# Altium PCB C210.PcbDoc (part 4 of 8)
Units mm, origin at the board's own origin, x right, y up, seen from the top; angles counter-clockwise.
Board outline 68 x 129.25 mm, 6 copper layers (L1, L2, L3, L4, L5, L6), stack 1.547 mm thick; 512 components, 298 nets, 1774 pads, 1892 vias.
Unrouted connection lines stored in the file: 306.
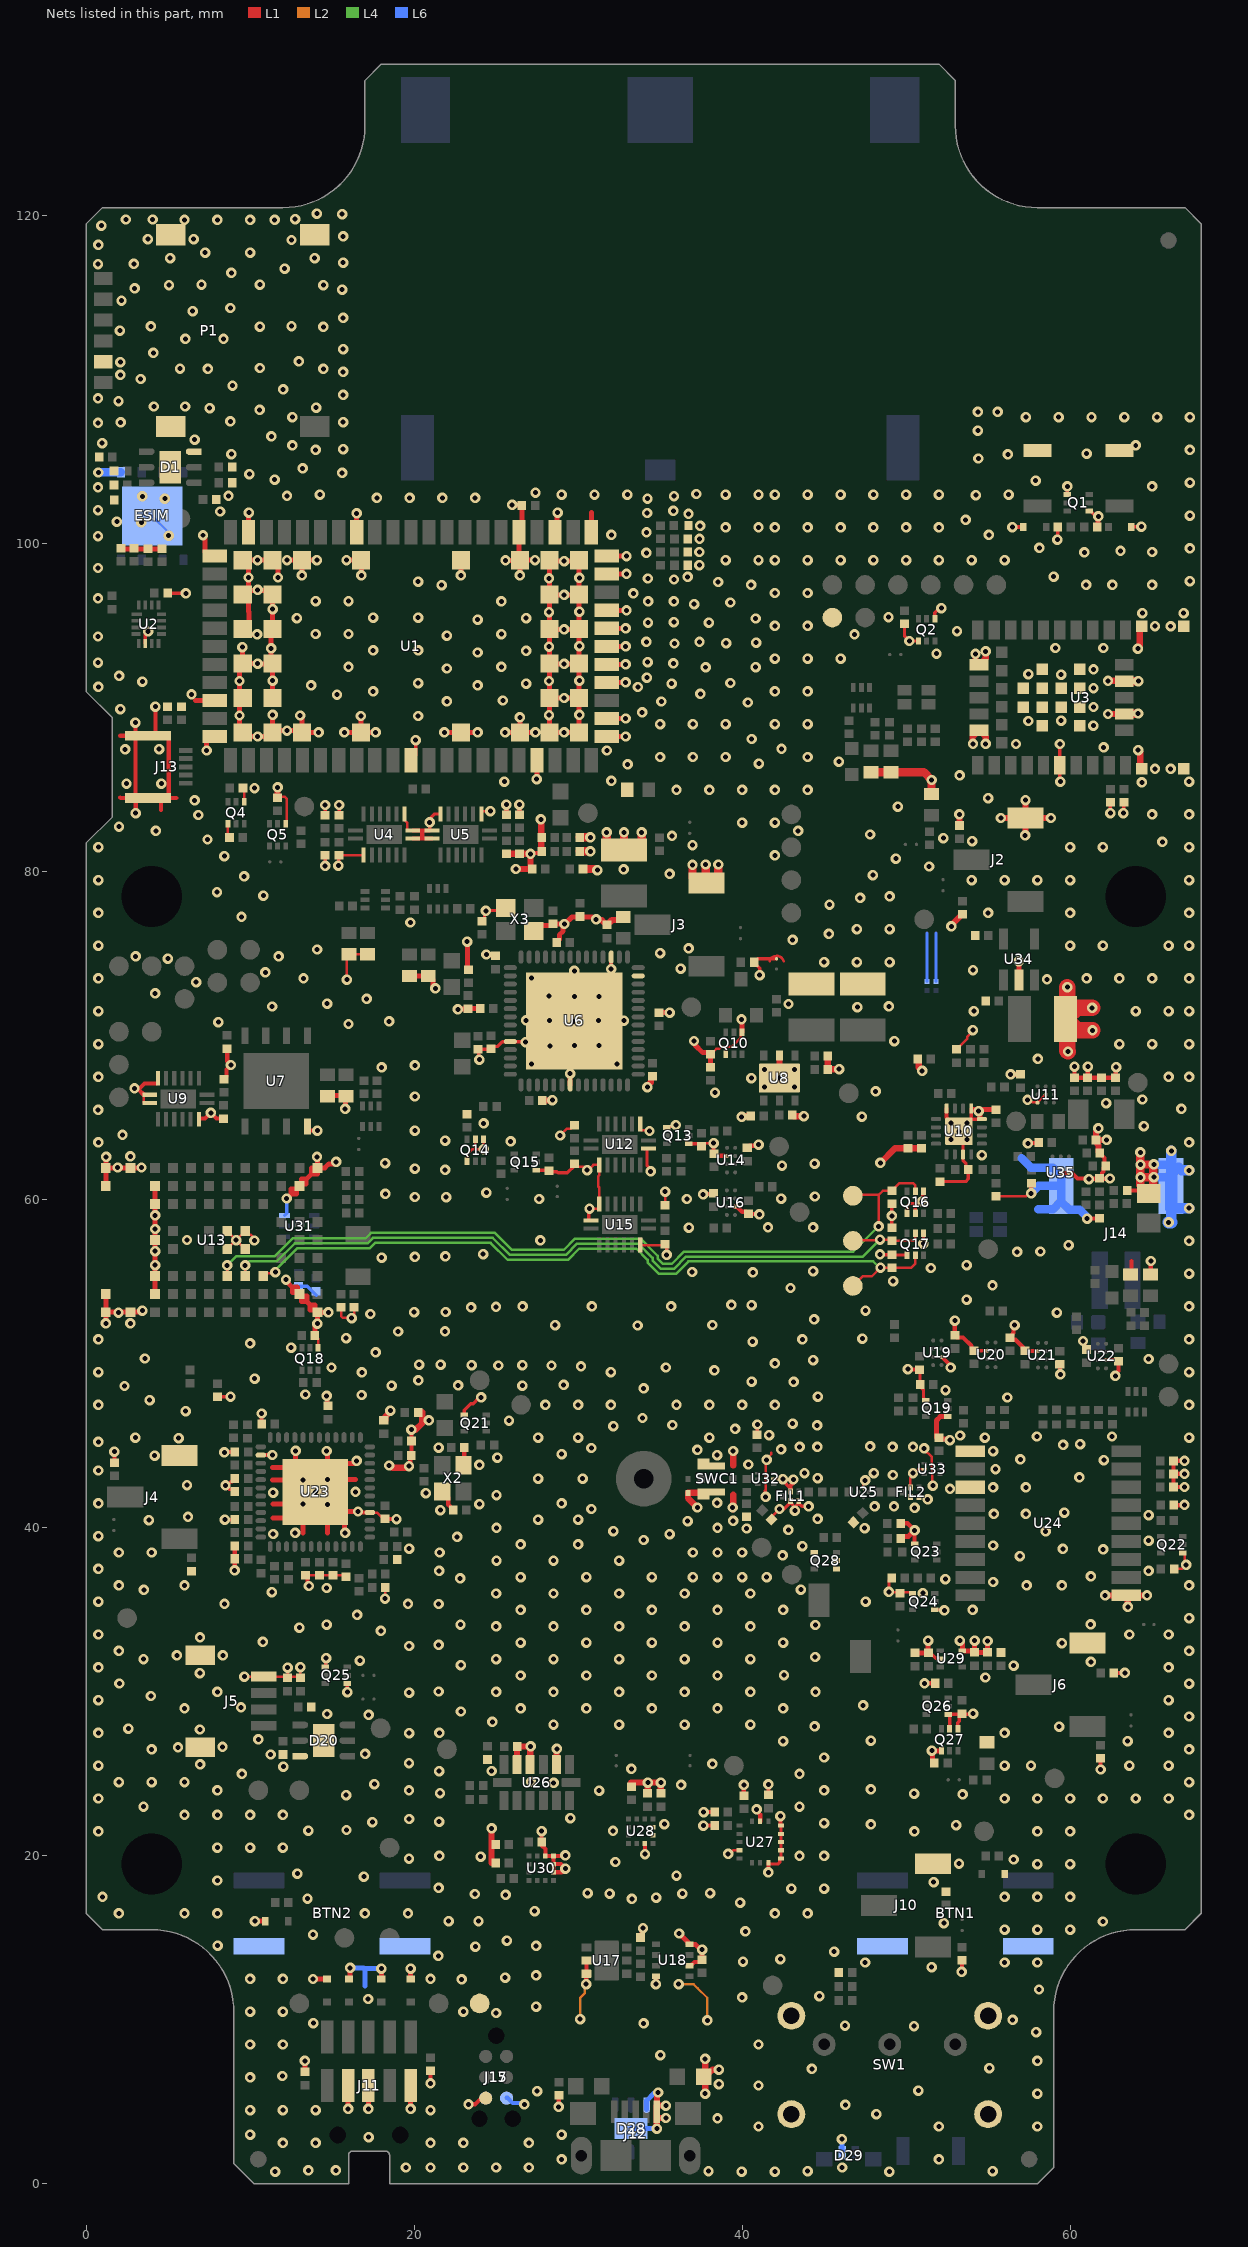
[diagram p8: the nets of this part, all layers, seen from the top]

## Via types
v1: diameter 0.635, hole 0.305, L1 to L6, tented both sides, 1892 vias

## Nets (pads, with @x,y where several pads share a name; then routed paths per layer and width w, separated by ;. In a path a pad name is that pad's centre, name@x,y a point inside that pad or via, vN(x,y) a via of type N, cw(c..) or ccw(c..) an arc to the next point about the centre after c; other vN are vias at no path point) (continued)
GND: BTN1.3 BTN1.4 BTN2.3 BTN2.4 BTN4.2 BTN5.2 C1.2 C2.2 C3.2 C4.2 C5.2 C6.2 C7.2 C8.1 C9.2 C10.2 C11.2 C12.2 C13.2 C14.1 C15.2 C16.2 C17.1 C18.1 C19.1 C20.2 C21.1 C22.1 C23.1 C24.2 C25.1 C26.1 C27.2 C28.2 C29.2 C30.2 C31.2 C32.2 C33.1 C34.2 C35.2 C36.2 C37.2 C38.1 C39.1 C40.1 C41.2 C42.1 C43.1 C44.1 C45.1 C46.2 C47.2 C48.1 C49.1 C50.1 C51.1 C52.2 C53.1 C54.2 C55.2 C56.1 C57.2 C58.2 C59.2 C60.2 C61.2 C62.1 C63.2 C64.2 C65.1 C66.1 C67.2 C68.1 C69.1 C70.1 C71.2 C72.1 C73.1 C74.1 C75.1 C76.1 C77.2 C78.1 C79.2 C80.2 C81.2 C82.2 C83.2 C84.2 C85.2 C86.2 C87.2 C88.2 C89.2 C90.2 C91.2 C92.2 C93.2 C94.1 C95.2 C96.1 C97.1 C100.2 C101.2 C102.2 C103.1 C104.2 C105.1 C106.1 C107.1 C108.2 C109.2 C110.2 C111.2 C112.1 C113.1 C114.1 C115.1 C116.2 C117.1 C118.2 C119.2 C120.2 C121.2 C122.1 C123.2 C124.2 C125.2 C126.2 C127.2 C128.2 C129.2 C130.2 C131.1 C132.1 C133.2 C134.1 C135.2 C136.2 C137.1 C138.1 C139.1 C140.1 C141.2 C142.2 C143.2 C144.1 C145.2 C146.2 C147.2 C148.1 C149.1 C151.1 C152.1 C153.2 C154.1 D1.3 D1.EPAD D2.2 D3.2 D5.C D6.C D7.C D8.C D9.C D10.C D11.C D12.C D13.C D14.C D16.C D17.C D18.2 D20.3 D20.EPAD D21.C D22.2 D23.2 D24.2 D25.2 D26.2 D27.2 D28.3 D28.EPAD D29.2 ESIM.1 ESIM.EPAD FB10.1 FIL1.2 FIL1.3 FIL1.5 FIL2.2 FIL2.3 FIL2.5 J2.1 J3.1 J4.1 J5.1 J5.M1 J5.M2 J6.1 J10.1 J11.3 J11.5 J11.9 J12.5 J13.MP J14.MH1 J15.5 J17.5 NO1.2 P1.C5 P1.MP Q1.1 Q1.4 Q2.1 Q2.4 Q4.1 Q4.4 Q5.1 Q10.1 Q10.4 Q13.1 Q13.4 Q14.1 Q14.2 Q14.4 Q15.1 Q16.1 Q16.4 Q16.5 Q17.1 Q17.4 Q18.1 Q19.1 Q19.4 Q21.1 Q22.1 Q23.1 Q24.1 Q24.4 Q25.1 Q25.4 Q26.1 Q27.1 Q27.4 Q27.5 Q28.1 Q28.4 Q28.5 R2.2 R3.2 R4.2 R7.1 R16.2 R17.1 R19.2 R27.1 R31.2 R34.2 R35.1 R36.1 R37.2 R40.1 R41.1 R42.1 R44.1 R46.2 R47.1 R54.1 R55.1 R60.1 R61.1 R65.1 R73.2 R74.1 R76.2 R79.1 R82.2 R89.1 R101.2 R105.2 R106.2 R107.2 R108.2 R110.2 R113.2 R115.2 R117.2 R125.1 R129.1 RT1.2 RT2.2 STD1.1 STD2.1 STD3.1 STD4.1 SW1.4 SWC1.G TP8.1 TP50.1 U1.1 U1.3 U1.5 U1.14 U1.20 U1.22 U1.30 U1.32 U1.43 U1.50 U1.54 U1.55 U1.57 U1.58 U1.59 U1.60 U1.61 U1.63 U1.64 U1.65 U1.66 U1.67 U1.68 U1.69 U1.70 U1.71 U1.72 U1.73 U1.74 U1.75 U1.76 U1.77 U1.78 U1.79 U1.80 U1.81 U1.82 U1.83 U1.84 U1.85 U1.86 U1.87 U1.88 U1.89 U1.90 U1.91 U1.92 U1.93 U1.94 U1.95 U1.96 U2.6 U3.6 U3.12 U3.14 U3.26 U3.30 U3.37 U3.38 U3.39 U3.40 U3.41 U3.42 U3.43 U3.44 U3.45 U3.46 U3.47 U3.48 U3.EG U4.2 U4.8 U4.9 U4.10 U5.2 U5.7 U5.8 U5.9 U6.10 U6.21 U6.41 U6.45 U6.EPAD U7.4 U8.2 U8.7 U9.7 U9.8 U9.9 U9.15 U10.4 U10.5 U10.8 U10.15 U10.EPAD U11.B2 U11.C1 U12.2 U12.8 U12.10 U13.A1 U13.A9 U13.B2 U13.B8 U13.E4 U13.E5 U13.F4 U13.F5 U13.K2 U13.K3 U13.K5 U13.K7 U13.K8 U13.L1 U13.L9 U13.M1 U13.M2 U13.M8 U13.M9 U14.B1 U15.7 U15.8 U15.15 U16.B1 U17.2 U17.3 U18.1 U18.5 U18.7 U19.B1 U20.B1 U21.B1 U22.B1 U23.14 U23.40 U23.EPAD U24.1 U24.10 U24.12 U25.3 U26.2 U26.4 U26.5 U27.4 U27.8 U27.9 U27.10 U27.11 U27.12 U27.13 U27.15 U28.2 U28.3 U28.12 U29.2 U29.5 U30.5 U30.6 U30.7 U30.8 U31.3 U32.2 U33.2 U34.2 U35.C1 U35.C2 X2.2 X2.4 X3.2 X3.4 Z2.1 Z3.1 Z5.2 Z6.2 | length 597.1
  L1 w0.15: U5.2@24.097,83.525 24.097,83.7 v1(24.647,83.7) ; v1(39.15,20.125) 39.246,20.125 39.462,20.34 U27.4@39.835,20.34
  L1 w0.152: U9.9@3.875,65.908 3.503,65.908 3.503,66.397 3.515,66.41 3.517,66.408 3.554,66.408 U9.8@3.875,66.408 ; U13.F5@8.6,57 9.146,57.546 v1(9.15,57.546) ; U13.F4@8.6,58.1 8.6,58.096 v1(9.15,57.546) ; Q4.1@8.642,82.931 8.642,82.2 R19.2@8.742,82.1 ; R16.2@9.565,85.106 9.642,85.029 Q4.4@9.642,84.281 ; v1(9.646,30.931) J5.1@10.825,30.931 C138.1@12.282,30.931 ; U13.E5@9.7,57 9.696,57 v1(9.15,57.546) ; v1(10.26,57.521) 10.26,57.646 10.028,57.878 9.922,57.878 U13.E4@9.7,58.1 9.7,58.096 v1(9.15,57.546) ; R17.1@11.672,84.525 11.714,84.567 12.121,84.567 12.221,84.467 12.221,82.974 Q5.1@12.172,82.925 ; C138.1@12.275,30.849 12.282,30.856 C138.1@12.282,30.931 ; v1(12.282,31.481) C138.1@12.282,30.931 ; v1(13.065,31.503) C115.1@13.065,30.849 12.983,30.931 C138.1@12.282,30.931 ; C91.2@13.391,37.1 15.763,37.1 R73.2@15.855,37.008 ; C76.1@13.95,51.738 14.15,51.538 Q18.1@14.15,50.971 ; v1(14.075,62.625) v1@14.1,62.6 ; C21.1@15.422,80.997 C21.1@15.425,81 15.45,81.025 U4.2@16.922,81.025 ; C69.1@15.55,53.45 15.55,52.902 15.639,52.812 16.171,52.812 v1(16.194,52.789) ; v1(15.9,73.429) 15.9,74.85 D12.C@16.025,74.975 D11.C@17.15,74.975 ; v1@16.219,52.812 16.242,52.789 16.293,52.789 16.34,52.836 C70.1@16.34,53.45 ; U23.40@17.3,40.937 17.328,40.909 17.764,40.909 C85.2@18.143,40.531 ; v1(18.225,35.689) 18.225,36.333 R101.2@18.247,36.355 ; U4.10@19.422,83.525 19.422,83.146 19.588,82.98 19.588,82.557 19.62,82.525 U4.9@19.922,82.525 ; Q14.4@23.231,62.351 23.227,62.355 23.227,62.767 23.536,63.076 23.731,63.076 ; Q14.2@23.731,63.701 23.731,63.076 ; v1@24.219,63.076 24.213,63.082 23.737,63.082 23.731,63.076 ; Q14.1@24.231,63.701 24.236,63.696 24.236,63.082 v1(24.242,63.076) ; v1(28.9,63.922) 29.302,64.324 29.546,64.324 29.774,64.552 C51.1@29.789,64.552 ; C59.2@29.789,62.204 29.972,62.02 30.342,62.02 v1@30.547,61.815 ; v1(30.547,61.814) 30.616,61.814 30.933,62.131 U12.2@31.286,62.131 31.286,61.499 31.235,61.448 31.235,60.807 31.286,60.756 U15.7@31.286,59.742 31.286,59.508 31.237,59.459 v1(30.691,59.459) ; U15.15@33.786,57.242 35.239,57.242 C66.1@35.301,57.304 ; U12.10@33.786,64.631 33.786,64.306 33.835,64.257 34.293,64.257 v1(34.35,64.2) ; U12.8@34.043,63.093 U12.8@34.075,63.125 ; C64.2@35.301,59.669 v1(35.301,60.495) ; R46.2@37.376,63.423 37.41,63.458 38.261,63.458 v1(38.264,63.461) ; R34.2@38.075,68.875 38.09,68.875 38.427,69.212 38.616,69.212 38.733,69.328 39,69.328 ; Q10.1@38.999,68.875 39,68.876 39,69.328 ; Q10.4@39.999,70.225 39.925,70.151 39.925,69.907 39.347,69.328 39,69.328 ; 41.4,42.275 41.435,42.31 41.435,44.148 41.775,44.488 41.775,44.581 ; C92.2@41.793,40.503 41.793,40.663 v1(42.277,41.148) ; U32.2@41.92,42.983 41.922,42.982 42.463,42.982 v1(42.477,42.968) ; v1(48.95,36.1) 48.921,36.071 49.579,36.071 R107.2@49.625,36.025 49.671,36.071 50.322,36.071 Q24.1@50.388,36.004 ; FIL2.5@50.275,42.463 50.263,42.474 50.263,43.046 50.42,43.202 v1(50.42,43.333) 50.521,43.333 50.75,43.562 50.94,43.562 50.959,43.582 51.093,43.582 U33.2@51.094,43.583 ; v1(51.093,44.854) 51.093,44.79 51.575,44.308 51.575,43.665 51.607,43.633 ; 51.579,43.508 51.579,42.621 v1(51.625,42.575) ; Q24.4@51.738,35.004 52.288,35.004 v1(52.325,34.967) ; R37.2@53.075,69.171 53.144,69.239 53.233,69.328 53.721,69.817 53.721,69.924 54.071,70.274 v1(54.071,70.347) ; v1(53.388,12.925) v1@53.4,12.937 ; R54.1@55.475,60.222 57.317,60.222 57.494,60.4 v1(57.625,60.4) ; v1(57.4,66.097) 57.531,66.097 57.689,65.939 57.993,65.939 U11.C1@58.01,65.922 58.01,65.924 58.508,66.422 U11.B2@58.51,66.422 ; R105.2@66.338,37.504 66.829,37.504 v1(67.075,37.75) 67,37.825 67,38.342 Q22.1@66.863,38.479
  L1 w0.203: U2.6@3.611,93.925 3.611,94.486 v1(3.779,94.654) ; C13.2@4.968,96.993 6.069,96.993 v1(6.076,96.986) ; R79.1@8.011,48 v1(8.802,48) ; v1(8.463,40.5) R42.1@9.075,40.5 ; C108.2@9.075,42.187 9.075,42.202 8.917,42.361 8.723,42.361 8.5,42.584 v1(8.5,42.587) 8.617,42.587 8.831,42.802 8.917,42.802 9.075,42.96 C89.2@9.075,42.975 ; C131.1@13.335,6.84 C131.1@13.35,6.825 ; Q25.4@14.575,31.506 14.606,31.536 14.606,32.029 v1(14.636,32.06) ; v1(14.575,80.371) C20.2@14.576,81 ; C18.1@14.576,83.456 v1(14.576,84.075) ; v1(15.375,80.375) 15.4,80.4 15.4,80.975 C21.1@15.422,80.997 ; C14.1@15.425,83.456 v1(15.425,84.075) ; v1(15.925,29.98) Q25.1@15.925,30.506 ; U1.43@19.8,86.8 20.097,87.097 v1(20.097,88.025) ; U4.8@19.922,82.025 U4.8@20.072,82.025 ; U5.8@21.097,82.525 20.947,82.525 v1(20.947,83.015) 20.947,83.25 21.222,83.525 U5.7@21.597,83.525 ; Q21.1@23.053,46.888 23.053,47.17 23.454,47.572 23.598,47.572 23.985,47.959 v1(24.091,47.959) ; v1(23.982,68.549) 23.941,68.59 23.941,69.142 C32.2@23.9,69.183 23.909,69.191 24.684,69.191 24.845,69.352 25.1,69.352 25.387,69.639 25.845,69.639 U6.10@25.864,69.658 25.882,69.639 26.771,69.639 v1(26.792,69.619) ; C145.2@24.147,76.992 24.288,77.133 24.288,77.545 24.389,77.646 25.439,77.646 X3.4@25.592,77.799 ; Q15.1@27.447,61.804 28.199,61.804 28.244,61.849 R47.1@28.298,61.794 ; R47.1@28.298,61.72 28.7,61.72 28.77,61.651 29.348,61.651 29.789,62.092 C59.2@29.789,62.204 ; C49.1@28.696,75.705 C49.1@28.855,75.864 ; v1@29.083,76.735 v1(29.165,76.818) v1@29.193,76.818 ; U6.EPAD@29.514,70.658 U6.EPAD@29.764,70.908 ; C34.2@30.072,77.25 C34.2@30.1,77.278 C34.2@30.128,77.25 ; U15.8@30.64,58.77 30.64,59.408 v1(30.691,59.459) ; v1@30.841,77.25 30.985,77.105 v1(31.102,77.105) ; U12.8@34.286,63.131 34.226,63.131 34.202,63.107 34.202,62.071 34.416,61.857 v1(34.416,61.74) ; C44.1@34.924,71.409 C44.1@34.924,71.409 ; C66.1@35.301,57.304 35.403,57.201 v1(35.403,56.642) ; Q13.4@35.4,64.423 35.448,64.471 35.747,64.471 35.837,64.562 v1(35.954,64.562) ; v1(35.582,71.411) v1(35.582,71.411) ; Q13.1@36.75,63.423 R46.2@37.376,63.423 ; R129.1@40.912,45.688 v1@40.912,46.292 ; v1@41.068,73.7 41.068,74.13 40.725,74.473 C36.2@40.725,74.488 40.937,74.7 41.747,74.7 NO1.2@42.1,74.7 ; 41.4,42.275 41.4,41.926 v1(41.432,41.895) ; U27.8@41.6,19.575 41.6,19.525 41.623,19.502 42.173,19.502 42.292,19.621 42.292,19.817 42.315,19.84 U27.9@42.365,19.84 U27.10@42.365,20.34 U27.11@42.365,20.84 U27.13@42.365,21.84 ; v1(42.277,41.148) 42.532,41.148 42.95,41.565 FIL1.2@42.95,41.637 42.95,41.531 43.21,41.271 v1@43.21,41.268 ; v1(42.477,42.968) 42.696,42.661 ccw(c42.862,42.779) 42.718,42.636 42.944,42.409 ; v1(43.21,41.047) v1@43.21,41.268 ; FIL1.3@43.45,41.637 FIL1.3@43.45,41.508 ; v1(44.049,41.309) 43.648,41.309 FIL1.3@43.45,41.508 ; U25.3@47.411,42.447 47.411,42.679 47.506,42.774 v1(47.506,42.891) ; v1(48.404,56.675) 48.416,56.663 49.113,56.663 49.125,56.675 49.165,56.635 50.048,56.635 Q17.4@50.063,56.62 ; v1(48.95,36.1) 48.95,36.662 48.955,36.667 48.955,36.796 R108.2@49.113,36.954 R108.2@49.096,36.972 ; R61.1@49.125,58.3 R60.1@49.125,59.75 ; R4.2@49.9,95.1 49.9,94.374 v1(50.199,94.075) Q2.4@50.75,94.075 ; Q16.4@50.063,59.175 50.063,59.638 50.2,59.775 50.563,59.775 ; Q16.5@50.563,59.175 50.563,59.775 ; C77.2@50.796,49.675 C77.2@50.821,49.65 50.842,49.629 R82.2@50.842,48.77 ; R82.2@50.813,48.799 R82.2@50.842,48.77 ; v1(50.957,59.899) 51.015,59.956 51.015,60.477 Q16.1@51.063,60.525 ; v1@50.972,59.884 50.863,59.775 50.563,59.775 ; v1(51.045,57.332) 51.054,57.341 51.054,57.961 Q17.1@51.063,57.97 ; Q19.1@51.188,47.779 51.063,47.904 51.063,48.395 50.863,48.595 R82.2@50.863,48.749 R82.2@50.842,48.77 ; C120.2@51.35,32.375 51.5,32.225 51.622,32.225 51.797,32.05 52.031,32.05 U29.2@52.075,32.006 ; Q2.1@51.75,95.425 51.75,95.812 52.013,96.075 v1(52.146,96.075) ; C61.2@52.065,61.115 53.628,61.115 53.79,61.276 R55.1@53.79,61.863 53.65,62.002 53.65,62.209 53.468,62.391 U10.15@53.468,62.773 53.468,63.923 v1(53.218,64.173) ; Q27.5@52.65,27.75 52.65,28.55 Q26.1@52.575,28.625 R115.2@53.343,28.625 ; Q27.4@53.15,27.75 53.15,28.114 53.237,28.201 53.237,28.518 R115.2@53.343,28.625 ; R115.2@53.393,28.675 R115.2@53.343,28.625 ; v1(53.725,64.675) U10.EPAD@53.968,64.918 ; U10.5@54.041,65.5 U10.5@53.968,65.573 U10.EPAD@53.968,64.918 ; v1(54.088,28.675) 54.038,28.625 R115.2@53.343,28.625 ; C79.2@54.125,50.809 54.129,50.805 54.946,50.805 U20.B1@54.95,50.8 ; U10.4@54.511,65.031 U10.4@54.618,64.923 53.973,64.923 U10.EPAD@53.968,64.918 ; v1(59.225,100.25) 59.238,100.263 59.238,101.012 R2.2@59.25,101.025 ; v1(59.375,87.796) 59.375,85.525 v1(59.4,85.5) ; Q1.4@59.813,103.013 59.825,103.025 v1(59.825,103.5) ; Q1.1@61.175,102 61.25,102 61.492,101.758 61.634,101.758 v1(61.717,101.675) ; v1(62.45,83.575) C17.1@62.45,84.25 ; v1(63.25,83.575) 63.275,83.575 C16.2@63.275,84.25 ; D3.2@63.738,101.025 63.763,101.05 v1(64.338,101.05) ; v1@43.21,41.268 FIL1.3@43.45,41.508
  L1 w0.25: v1@56.488,101.025 D2.2@57.15,101.025
  L1 w0.254: v1(1.717,44.65) 1.73,44.636 1.73,43.992 C86.2@1.744,43.978 ; 2.083,84.525 2.108,84.5 J13.MP@3.002,84.5 ; 2.083,88.3 J13.MP@3.002,88.3 ; v1(2.949,66.8) 3.095,66.8 3.164,66.731 3.194,66.731 3.515,66.41 3.552,66.41 U9.8@3.554,66.408 ; v1(3.002,89.101) J13.MP@3.002,88.3 ; v1(3.025,83.582) 3.025,84.477 J13.MP@3.002,84.5 ; v1@3.125,66.8 3.263,66.8 3.563,67.1 4.309,67.1 4.375,67.166 U9.7@4.375,67.408 ; J13.MP@3.775,84.5 J13.MP@3.002,84.5 ; J13.MP@3.775,84.5 J13.MP@4.232,84.5 ; J13.MP@4.1,88.3 J13.MP@3.002,88.3 ; v1(4.225,90.072) 4.225,88.3 4.867,88.3 5.04,88.127 5.04,84.533 J13.MP@5.007,84.5 ; 4.563,83.765 4.563,84.327 4.39,84.5 J13.MP@4.232,84.5 ; 5.499,84.5 J13.MP@5.007,84.5 ; U9.15@6.875,64.908 6.925,64.958 7.258,64.958 v1@7.6,65.3 ; v1(7.608,65.308) 7.608,65.292 7.942,64.958 C48.1@8.374,64.958 ; C46.2@8.399,67.358 8.55,67.509 8.55,67.95 v1(8.825,68.225) 8.6,68.45 C39.1@8.6,69.225 ; v1(8.431,44.605) 8.447,44.621 9.059,44.621 R35.1@9.075,44.637 ; v1(9.056,37.413) 9.066,37.423 9.066,38.899 R41.1@9.075,38.908 ; U23.14@10.65,44.437 10.653,44.44 11.356,44.44 v1(11.358,44.442) ; C87.2@10.7,46.323 v1(10.7,46.972) ; C91.2@13.391,37.1 13.505,36.986 13.505,36.53 v1(13.578,36.457) ; U7.4@13.49,64.475 13.49,64.145 13.566,64.221 v1(14.097,64.221) ; v1(14.667,48.05) 14.703,48.014 14.703,47.47 C83.2@14.739,47.434 ; v1(16.575,41) 16.629,40.946 17.291,40.946 U23.40@17.3,40.937 ; C85.2@18.143,40.531 v1(18.925,40.531) ; v1(19.687,43.762) 19.759,43.833 19.759,44.346 19.839,44.426 R89.1@19.839,45.297 19.837,45.298 19.837,45.981 v1(19.836,45.982) ; U4.8@19.922,82.025 20.497,82.025 ; U4.9@19.922,82.525 20.497,82.525 ; U5.8@20.947,82.525 20.497,82.525 ; v1(21,6.125) C137.1@21,6.9 ; U5.9@21.097,82.025 20.497,82.025 ; X2.4@21.71,42.216 22.083,41.843 22.083,41.414 22.382,41.115 C102.2@22.382,41.1 ; X2.2@23.01,43.816 23.06,43.866 C88.2@23.06,44.897 ; v1(23.314,4.85) 23.717,4.85 24.097,5.23 J15.5@24.365,5.23 ; C29.2@26.95,80.175 26.875,80.175 C29.2@27.097,80.397 ; v1(27.097,81.1) 27.147,81.15 27.65,81.15 C30.2@27.75,81.25 ; v1(27.722,83.2) v1@27.75,83.172 ; v1(27.775,21.506) C125.2@27.775,20.85 27.775,20.65 28,20.425 U30.8@28,20 U30.7@28.5,20 ; v1(28.817,4.7) 28.819,4.702 28.819,5.398 C132.1@28.821,5.4 ; v1(29.225,20.025) 29.2,20 U30.7@28.5,20 ; U6.EPAD@29.764,70.908 32.014,73.158 U6.45@32.014,74.808 ; v1(30.489,12.173) 30.496,12.181 30.496,12.806 U17.3@30.504,12.813 U17.2@30.504,13.613 ; C71.2@33.803,15.022 33.884,15.103 33.884,15.516 v1(33.956,15.589) ; v1(34.075,20.099) U28.12@34.075,20.75 ; U18.7@36.794,13.303 36.869,13.303 37.09,13.524 37.149,13.524 37.155,13.53 37.406,13.53 C72.1@37.539,13.663 ; v1(37.62,60.335) 37.649,60.364 38.233,60.364 C68.1@38.261,60.393 ; v1(37.635,21.839) 37.641,21.844 38.31,21.844 C127.2@38.316,21.85 ; v1(37.647,22.672) 37.652,22.677 38.311,22.677 C116.2@38.316,22.682 ; v1(38.264,63.461) 38.258,63.455 38.258,62.831 38.251,62.824 38.385,62.69 38.908,62.69 38.923,62.675 U14.B1@39.079,62.675 ; U16.B1@39.566,59.581 39.7,59.581 40.009,59.271 40.252,59.271 C67.2@40.385,59.138 40.395,59.128 41.04,59.128 v1(41.05,59.118) ; C141.2@40.1,23.679 v1(40.1,24.333) ; C65.1@40.311,63.163 40.444,63.296 40.826,63.296 40.898,63.369 v1(41.002,63.369) ; v1(40.881,22.839) 40.881,22.736 41.1,22.516 U27.15@41.1,22.105 ; v1(41.6,19) U27.8@41.6,19.575 ; C118.2@41.6,23.717 v1(41.6,24.366) ; v1(42.325,22.419) 42.345,22.399 42.345,21.842 42.347,21.84 U27.13@42.365,21.84 ; FIL1.5@42.953,42.212 42.953,42.583 43.121,42.751 v1(43.121,42.95) ; C107.1@49.662,40.279 50.088,40.279 50.513,39.854 v1(50.513,39.85) Q23.1@50.513,39.029 ; v1(50.1,49.675) 50.112,49.663 50.783,49.663 C77.2@50.796,49.675 ; v1(51.122,30.525) R113.2@51.775,30.525 ; U19.B1@52.15,50.425 52.182,50.425 52.636,49.972 52.636,49.852 v1(52.709,49.779) ; U10.8@52.468,65.573 52.468,65.025 52.725,64.768 v1(52.725,64.675) ; v1(52.968,52.636) C74.1@52.968,51.736 53.101,51.603 53.476,51.603 53.977,51.102 53.977,50.942 54.114,50.805 C79.2@54.129,50.805 ; v1@53.4,12.937 C130.2@53.4,13.628 ; v1(56.61,52.354) 56.538,52.281 56.538,51.885 56.486,51.834 56.486,51.736 56.353,51.603 56.486,51.47 56.66,51.47 57.112,51.019 57.112,50.918 57.245,50.785 C80.2@57.26,50.785 57.266,50.778 U21.B1@58.038,50.778 ; v1(57.422,63.443) 57.451,63.471 58.06,63.471 C153.2@58.088,63.5 ; v1(57.625,60.4) 57.63,60.405 57.63,61.01 C154.1@57.635,61.015 ; C75.1@59.366,49.98 59.382,49.963 59.382,49.374 v1(59.399,49.357) ; U35.C2@59.43,61.642 60.107,61.642 60.44,61.31 61.095,61.31 v1(61.138,61.267) 61.157,61.286 61.781,61.286 C151.1@61.8,61.306 61.817,61.289 62.403,61.289 v1(62.418,61.304) ; v1(60.263,68.125) C54.2@60.263,67.447 60.266,67.443 C62.1@61.064,67.443 ; v1(60.782,51.394) 60.855,51.321 60.855,51.008 60.988,50.875 C81.2@61,50.875 ; v1(61.034,58.849) 61.053,58.868 61.781,58.868 C152.1@61.8,58.887 ; v1(61.083,68.125) 61.074,68.115 61.074,67.453 C62.1@61.064,67.443 ; C147.2@61.8,62.854 61.8,62.839 62.089,62.55 62.089,62.156 C148.1@62.175,62.07 62.042,61.937 62.042,61.728 61.949,61.635 61.949,61.508 C151.1@61.816,61.375 ; C123.2@61.845,25.943 61.852,25.936 61.852,25.272 v1(61.86,25.264) ; U22.B1@62.188,50.225 62.879,50.225 C73.1@62.95,50.154 62.95,49.563 62.762,49.375 v1(62.762,49.272) ; C117.1@62.66,31.156 v1(63.336,31.156) ; v1(62.8,68.088) 62.781,68.069 62.781,67.459 C56.1@62.762,67.44 62.759,67.443 C62.1@61.064,67.443 ; R76.2@63.473,60.577 64.454,60.577 64.715,60.577 R7.1@64.791,60.5 ; D17.C@63.75,55.421 63.75,56.275 ; v1(64.919,56.269) 64.919,55.46 D16.C@64.925,55.454 ; C105.1@66.313,41.379 66.953,41.379 v1(66.975,41.401) ; v1(66.975,42.49) C100.2@66.301,42.49 C96.1@66.301,43.29 ; v1(66.975,43.294) 66.306,43.294 C96.1@66.301,43.29 ; v1(66.975,44.09) C97.1@66.301,44.09 C96.1@66.301,43.29 ; J13.MP@3.002,84.5 J13.MP@3.002,88.3 ; J13.MP@4.232,84.5 J13.MP@5.007,84.5 ; 20.497,82.025 20.497,82.525 ; U30.6@28.5,19.5 U30.5@28.5,19 28.999,19 v1(29.225,19.226) 28.95,19.5 U30.6@28.5,19.5 ; U30.6@28.5,19.5 U30.7@28.5,20
  L1 w0.305: v1(1.2,52.475) U13.M8@1.2,54.25 ; U13.M9@1.2,53.15 3.33,53.15 v1(3.43,53.25) ; U13.M2@1.2,60.85 U13.M1@1.2,61.95 ; v1(1.225,62.625) 1.2,62.6 U13.M1@1.2,61.95 ; C9.2@2.125,99.725 2.15,99.7 C12.2@4.625,99.7 ; v1(3.375,61.975) 3.35,61.95 U13.M1@1.2,61.95 ; U13.K8@4.2,54.25 U13.K7@4.2,55.35 U13.K5@4.2,57.55 U13.K3@4.2,59.75 U13.K2@4.2,60.85 ; 6.681,90.447 6.697,90.447 6.701,90.45 U1.30@7.85,90.45 ; v1(7.126,100.524) 7.126,100.434 7.252,100.308 7.252,99.498 7.5,99.25 U1.22@7.85,99.25 ; v1(7.343,87.4) 7.343,88.002 7.591,88.25 U1.32@7.85,88.25 ; v1@9.522,93.672 9.522,92.714 9.55,92.686 9.557,92.693 v1(10.454,92.693) ; U1.94@9.55,92.7 9.35,92.5 v1(9.35,91.636) 9.35,90.8 U1.95@9.55,90.6 9.35,90.4 v1(9.35,89.535) 9.35,88.7 9.85,88.2 9.9,88.25 11,88.25 11.05,88.2 U1.90@11.462,88.612 ; U1.91@9.55,99 9.9,98.65 9.9,97.25 U1.92@9.8,97.15 ; U1.91@9.575,98.975 9.6,99 v1(10.447,99) 11.3,99 U1.85@11.35,98.95 ; U1.20@9.9,100.7 9.9,101.878 v1(9.922,101.9) ; v1(10.293,16.018) D23.2@10.914,16.018 ; v1(10.432,94.481) 9.869,94.481 U1.93@9.55,94.8 9.925,95.175 9.925,95.85 9.9,95.875 9.9,96.55 U1.92@9.55,96.9 U1.92@9.8,97.15 ; v1@10.454,92.686 11.35,92.686 11.375,92.661 11.375,91.686 11.35,91.661 11.375,91.636 11.375,90.625 U1.89@11.35,90.6 ; U1.88@11.35,92.7 11.281,92.769 v1(11.281,93.631) 11.281,94.731 U1.87@11.35,94.8 11.375,94.825 11.375,95.975 11.414,96.014 11.35,96.079 U1.86@11.35,96.85 ; U1.86@11.35,96.9 11.1,97.15 10.504,97.15 v1(10.454,97.2) 10.454,97.15 U1.92@9.8,97.15 ; U1.85@11.35,99 11.7,98.65 v1(11.7,97.95) ; 11.358,42.925 U23.EPAD@12.771,42.925 ; 11.358,43.682 U23.EPAD@12.771,43.682 ; v1(11.375,89.575) 11.375,88.7 U1.90@11.462,88.612 ; v1(11.375,96.014) v1@11.395,95.995 ; 11.402,41.45 v1(13.225,41.45) U23.EPAD@13.225,40.609 ; 11.408,40.609 U23.EPAD@13.225,40.609 ; v1(12.185,55.132) 12.185,55.065 12.575,54.675 ; v1(12.231,60.081) 12.507,60.357 ; v1(12.247,99) v1(14.072,99) U1.83@13.15,99 v1(13.15,98.075) ; v1(12.771,44.691) U23.EPAD@12.771,43.682 ; v1(13.05,89.535) 13.15,89.435 U1.84@13.15,88.5 ; 13.225,39.697 U23.EPAD@13.225,40.609 ; v1(13.225,42.925) U23.EPAD@12.771,42.925 ; C131.1@13.335,6.84 v1(13.335,7.495) ; v1(13.831,12.491) D24.2@14.686,12.491 ; C76.1@13.95,51.738 13.95,52.3 v1(14.1,52.45) U13.A9@14.1,53.15 ; v1@14.1,62.6 U13.A1@14.1,61.95 ; v1(14.172,88.5) U1.84@13.15,88.5 ; v1(14.667,44.687) 14.725,44.687 U23.EPAD@14.725,43.937 ; 14.725,39.697 U23.EPAD@14.725,41 ; v1(14.725,41.425) U23.EPAD@14.725,41 ; v1(14.774,53.14) 14.769,53.145 14.105,53.145 U13.A9@14.1,53.15 ; D14.C@14.8,66.375 15.9,66.375 15.819,66.294 15.819,65.577 v1(15.788,65.546) ; v1(15.24,62.317) 15.24,62.2 14.804,62.2 14.554,61.95 U13.A1@14.1,61.95 ; v1(15.747,88.5) U1.82@16.75,88.5 ; v1(15.796,39.697) 15.745,39.697 U23.EPAD@15.745,41 ; v1(15.875,99) U1.81@16.75,99 ; v1(15.98,4.575) J11.3@15.98,6 ; D25.2@16.025,12.491 16.096,12.562 v1(16.096,13.175) ; 16.425,42.95 v1(14.725,42.95) U23.EPAD@14.725,43.937 ; v1(16.497,44.089) 16.497,43.937 U23.EPAD@14.725,43.937 ; U1.14@16.5,100.7 v1@16.5,101.853 ; v1(16.575,41) U23.EPAD@15.745,41 ; v1(16.747,89.5) 16.75,89.497 U1.82@16.75,88.5 ; v1(16.778,98.075) U1.81@16.778,99 ; v1(17.21,4.575) J11.5@17.21,6 ; v1(17.651,88.5) U1.82@16.75,88.5 ; D26.2@18,12.491 v1(18,13.125) ; D9.C@19.717,73.654 19.732,73.64 20.951,73.64 21.159,73.432 21.159,73.105 21.296,72.968 v1(21.296,72.9) ; v1(19.79,4.575) J11.9@19.79,6 ; D27.2@19.79,12.491 v1(19.79,13.125) ; v1(21.847,88.5) U1.80@22.85,88.5 v1(23.872,88.5) ; v1(22.665,71.61) 22.69,71.635 23.261,71.635 C42.1@23.286,71.66 ; v1(22.85,98.075) U1.79@22.85,99 ; v1(23.232,75.746) 23.242,75.737 23.242,74.104 C41.2@23.321,74.024 ; C42.1@23.321,71.675 23.33,71.666 24.026,71.666 R74.1@24.035,71.658 ; v1(24.397,74.958) 24.439,74.917 24.933,74.917 C38.1@24.975,74.875 ; v1(25.547,88.5) v1(27.395,88.5) U1.78@26.45,88.5 v1(26.45,89.425) ; v1(25.571,98.992) 26.442,98.992 U1.77@26.45,99 ; C15.2@25.622,83.475 v1(25.622,84.1) ; v1(25.972,102.371) 25.983,102.361 26.562,102.361 C8.1@26.572,102.35 26.572,100.872 U1.5@26.4,100.7 26.4,99.05 U1.77@26.45,99 ; v1(26.42,84.097) 26.421,84.096 26.421,83.476 C19.1@26.422,83.475 ; v1(26.45,98.075) U1.77@26.45,99 ; X3.2@27.292,76.399 27.615,76.722 28.368,76.722 C146.2@28.473,76.827 ; v1(27.372,99) U1.77@26.45,99 ; v1(27.475,85.65) 27.487,85.662 27.487,86.787 U1.50@27.5,86.8 ; v1@28.25,91.636 U1.74@28.25,92.686 ; v1@28.25,97.9 U1.71@28.25,98.95 ; C146.2@28.473,76.818 v1(29.165,76.818) ; U1.3@28.6,100.7 28.7,100.8 28.7,101.853 v1(28.747,101.9) ; C49.1@28.855,75.864 28.855,76.155 29.083,76.384 v1@29.083,76.735 ; v1(29.147,88.5) U1.70@30.05,88.5 ; v1(29.147,90.6) U1.69@30.05,90.6 ; v1(29.147,92.686) U1.68@30.05,92.686 ; v1(29.147,94.786) U1.67@30.05,94.786 ; v1(29.147,96.886) U1.66@30.05,96.886 ; v1(29.147,98.95) U1.65@30.05,98.95 ; v1@29.193,76.818 29.625,77.25 C34.2@30.072,77.25 ; U6.21@29.514,67.008 v1(29.514,67.7) U6.EPAD@29.514,70.658 ; v1@30.05,91.661 U1.68@30.05,92.686 ; v1@30.05,97.925 U1.65@30.05,98.95 ; C34.2@30.128,77.25 v1@30.841,77.25 ; U1.1@30.8,100.7 30.8,101.897 ; U1.54@31.75,88.25 v1(32.903,88.25) ; U1.55@31.75,89.35 v1(32.903,89.35) ; U1.57@31.75,91.55 v1(32.903,91.55) ; U1.58@31.75,92.65 v1(32.903,92.65) ; U1.59@31.75,93.75 v1(32.903,93.75) ; U1.60@31.75,94.85 v1(32.903,94.85) ; U1.61@31.75,95.95 v1(32.947,95.95) ; U1.63@31.75,98.15 32.922,98.15 v1(32.947,98.175) ; U1.64@31.75,99.25 v1(32.947,99.25) ; v1(34.741,12.173) v1(34.741,12.173) 34.743,12.652 U18.1@34.744,12.653 ; C44.1@34.924,71.409 v1(35.582,71.411) ; v1(36.165,15.266) 36.696,14.734 36.696,14.626 36.719,14.603 U18.5@36.794,14.603 36.816,14.581 37.171,14.581 37.476,14.276 v1(37.565,14.276) 37.552,14.263 37.552,13.676 C72.1@37.539,13.663 ; v1(37.064,69.688) 37.127,69.625 37.127,69.447 37.601,68.973 37.977,68.973 R34.2@38.075,68.875 R31.2@38.075,68.1 ; v1(39.963,71) 39.996,70.967 39.996,70.227 Q10.4@39.999,70.225 ; R129.1@40.9,45.675 R129.1@40.912,45.688 ; v1@40.912,46.292 v1(40.925,46.304) ; C106.1@49.676,39.352 49.804,39.479 50.142,39.479 v1(50.513,39.85) ; C119.2@50.55,32.375 C120.2@51.35,32.375 51.338,32.387 v1(51.338,33.125) ; v1(51.563,26.416) v1@51.579,26.4 ; R117.2@51.725,25.675 51.622,25.778 51.622,26.357 v1@51.579,26.4 ; Q27.1@52.15,26.4 v1@51.579,26.4 ; Q19.4@52.538,46.779 52.079,46.779 51.85,46.55 51.85,45.5 51.933,45.417 52.605,45.417 v1(52.668,45.353) ; v1@53.025,21.85 v1(53.05,21.875) ; v1(53.275,33.125) 53.425,32.975 U29.5@53.425,32.506 54.075,32.506 C122.1@54.175,32.406 ; U10.5@54.041,65.5 54.235,65.5 54.328,65.407 v1(54.418,65.407) ; v1(54.175,33.125) C122.1@54.175,32.406 ; U10.4@54.511,65.031 54.511,65.5 55.483,65.5 C55.2@55.493,65.49 C55.2@55.54,65.536 ; v1(54.975,33.1) C121.2@54.975,32.406 C122.1@54.175,32.406 ; v1(56.375,67.652) 56.378,67.649 56.983,67.649 R44.1@56.985,67.647 R44.1@56.985,67.7 ; U34.2@56.875,73.408 v1(56.875,74.545) ; R3.2@61.575,101.025 61.683,101.133 61.683,101.642 v1(61.717,101.675) ; U1.90@11.462,88.612 v1(12.247,88.612) 13.038,88.612 U1.84@13.15,88.5 ; 12.507,60.357 12.507,60.654 U13.B2@12.804,60.654 ; 12.507,60.357 U13.B2@12.804,60.654 ; 12.507,60.357 12.511,60.352 12.814,60.352 12.818,60.356 U13.B2@12.818,60.668 ; 12.575,54.675 12.877,54.675 U13.B8@12.877,54.373 ; 12.575,54.675 U13.B8@12.877,54.373 ; 12.575,54.675 12.575,54.365 U13.B8@12.885,54.365 ; U23.EPAD@12.771,42.925 U23.EPAD@12.771,43.682 ; U13.B2@12.804,60.654 U13.B2@13,60.85 ; U13.B2@12.804,60.654 U13.B2@12.818,60.668 ; U13.B2@12.818,60.668 U13.B2@13,60.85 ; U13.B8@12.877,54.373 U13.B8@12.885,54.365 ; U13.B8@12.885,54.365 U13.B8@13,54.25 U13.B8@13.127,54.123 ; U13.B2@13,60.85 U13.B2@13.125,60.975 ; U13.B2@13.125,60.975 13.413,60.975 13.413,61.263 ; U13.B2@13.125,60.975 U13.B2@13.127,60.977 ; U13.B8@13.127,54.123 13.452,54.123 13.452,53.828 13.437,53.813 ; U13.B8@13.127,54.123 U13.B8@13.142,54.108 ; U13.B2@13.127,60.977 13.127,61.263 13.413,61.263 ; U13.B2@13.127,60.977 13.413,61.263 ; U13.B8@13.142,54.108 13.142,53.813 13.437,53.813 ; U13.B8@13.142,54.108 13.437,53.813 ; 13.413,61.263 13.75,61.6 ; 13.437,53.813 13.653,53.597 ; 13.653,53.597 13.968,53.597 13.968,53.295 U13.A9@13.962,53.288 ; 13.653,53.597 U13.A9@13.962,53.288 ; 13.653,53.597 13.653,53.282 13.955,53.282 U13.A9@13.962,53.288 ; 13.75,61.6 13.75,61.927 U13.A1@14.077,61.927 ; 13.75,61.6 U13.A1@14.077,61.927 ; 13.75,61.6 13.778,61.572 14.1,61.572 U13.A1@14.1,61.95 ; U13.A9@13.962,53.288 U13.A9@14.1,53.15 ; U13.A1@14.077,61.927 U13.A1@14.1,61.95 ; U23.EPAD@14.725,41 U23.EPAD@15.745,41 ; U1.74@28.25,92.686 U1.75@28.25,90.6 U1.69@30.05,90.6 ; U1.74@28.25,92.686 U1.73@28.25,94.786 ; U1.74@28.25,92.686 U1.68@30.05,92.686 ; U1.74@28.25,92.686 U1.76@28.25,88.5 U1.70@30.05,88.5 ; U1.73@28.25,94.786 U1.67@30.05,94.786 ; U1.73@28.25,94.786 U1.71@28.25,98.95 ; U1.71@28.25,98.95 28.25,96.886 U1.66@30.05,96.886 ; U1.71@28.25,98.95 U1.65@30.05,98.95 ; U1.70@30.05,88.5 U1.68@30.05,92.686 ; U1.69@30.05,90.6 U1.68@30.05,92.686 ; U1.68@30.05,92.686 U1.67@30.05,94.786 ; U1.67@30.05,94.786 U1.65@30.05,98.95 ; U1.66@30.05,96.886 U1.65@30.05,98.95